# Altium PCB PCB5.PcbDoc (part 14 of 16) (continued)
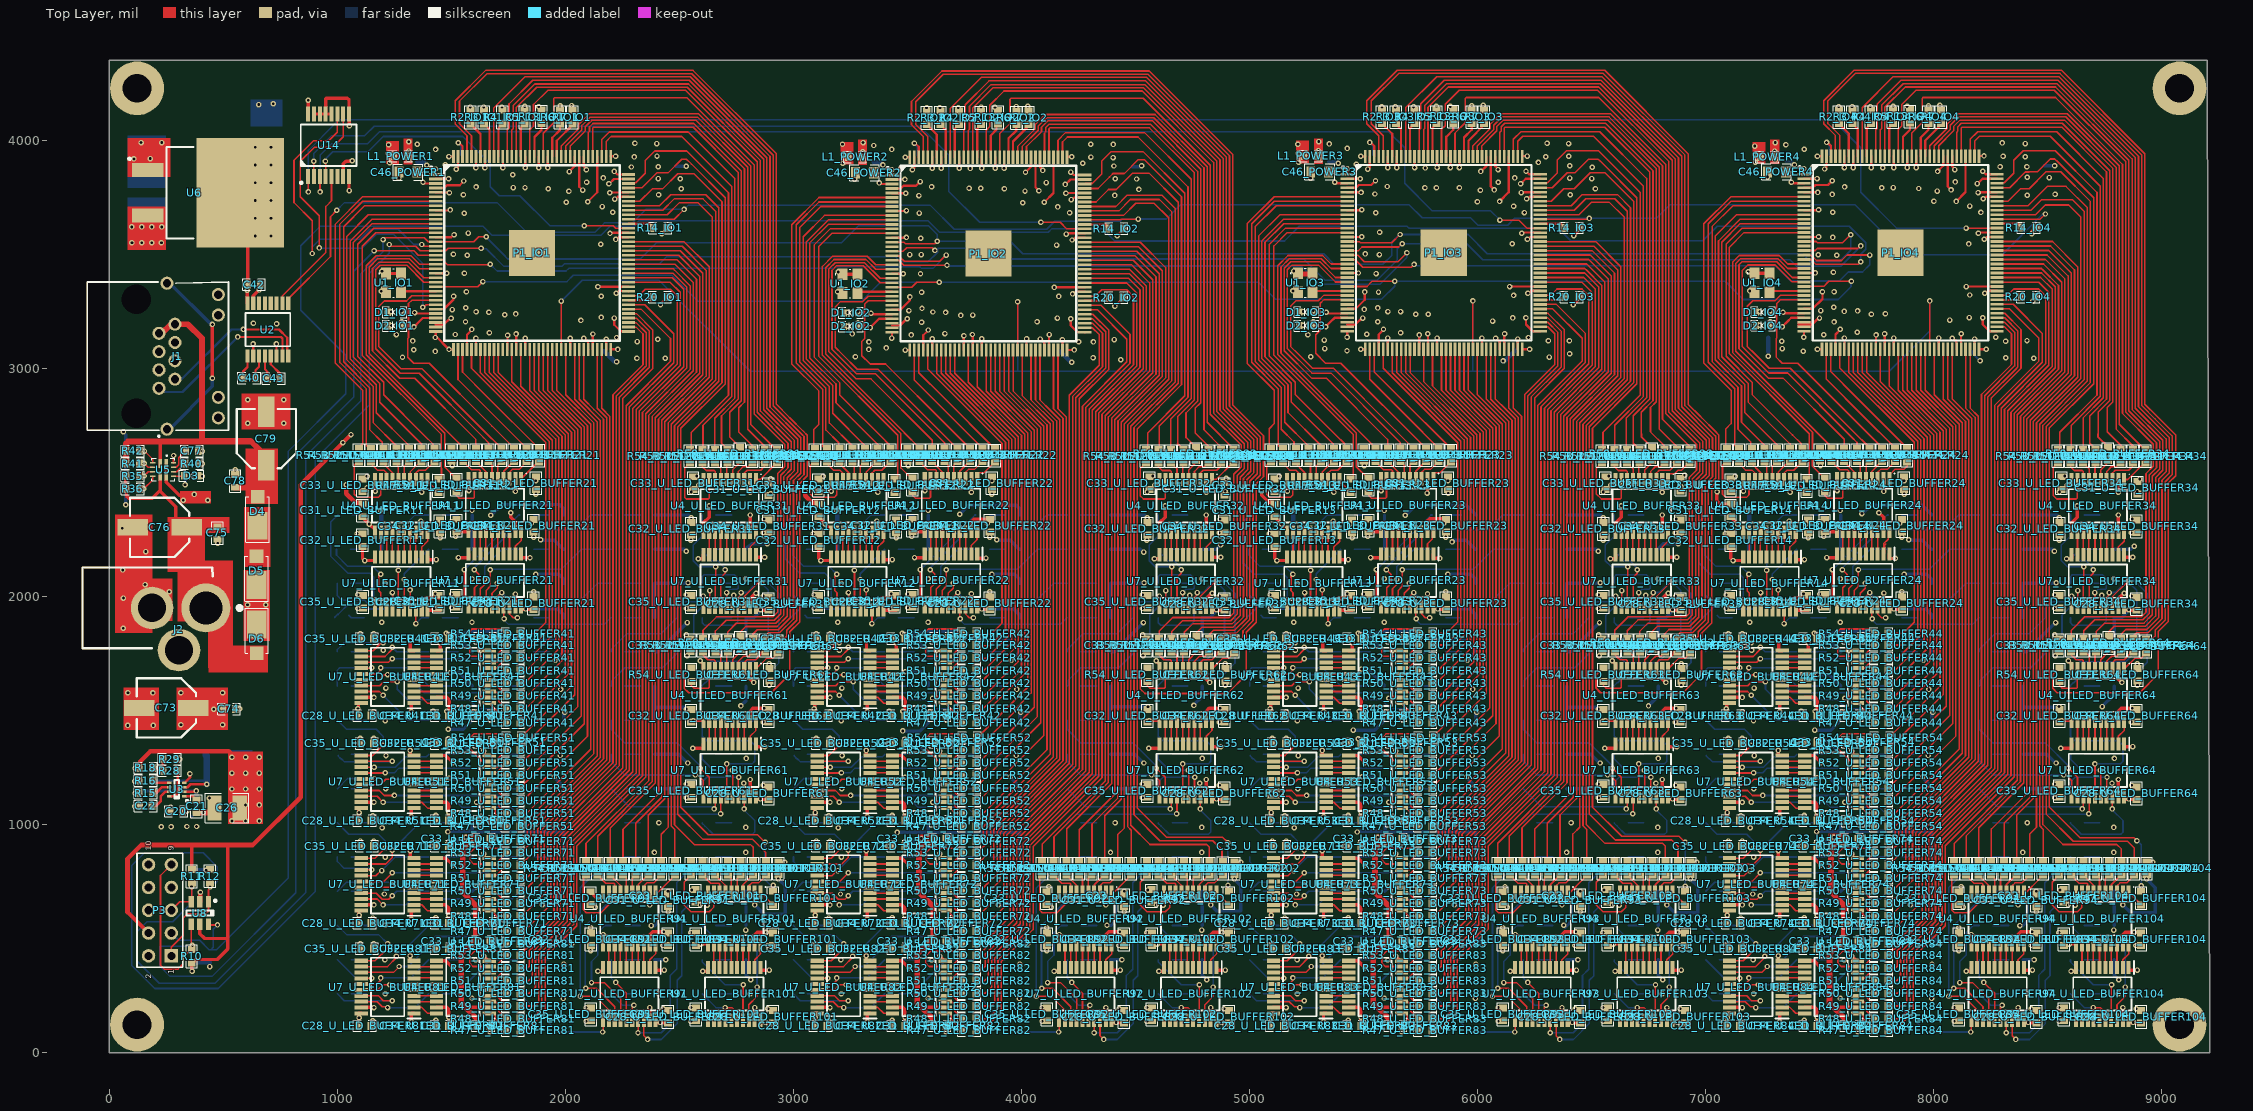
[diagram p0: Top Layer view]
## Nets (pads, with @x,y where several pads share a name; then routed paths per layer and width w, separated by ;. In a path a pad name is that pad's centre, name@x,y a point inside that pad or via, vN(x,y) a via of type N, cw(c..) or ccw(c..) an arc to the next point about the centre after c; other vN are vias at no path point) (continued)
  Top Layer w10: P1_IO2.97@4277.95,3631.46 4368.73,3631.46 4377.73,3622.46 R14_IO2.1@4386.73,3613.46
SCL_IO3: P1_IO3.97 R14_IO3.1 | length 116.2
  Top Layer w10: P1_IO3.97@6274.85,3634.91 6365.63,3634.91 6374.63,3625.91 R14_IO3.1@6383.63,3616.91
SCL_IO4: P1_IO4.97 R14_IO4.1 | length 116.2
  Top Layer w10: P1_IO4.97@8277.85,3635.06 8368.63,3635.06 R14_IO4.1@8386.63,3617.06
SDA: P1_IO1.80 R20_IO1.1 | length 109.8
  Top Layer w10: P1_IO1.80@2276.85,3299.42 2380.38,3299.42 R20_IO1.1@2384.83,3303.87
SDA_IO2: P1_IO2.80 R20_IO2.1 | length 202.8
  Top Layer w10: R20_IO2.1@4385.93,3301.27 4381.48,3296.82 R20_IO2.1@4370.93,3296.82 ; R20_IO2.1@4370.93,3296.82 P1_IO2.80@4277.95,3296.82 R20_IO2.1@4370.93,3296.82
SDA_IO3: P1_IO3.80 R20_IO3.1 | length 202.8
  Top Layer w10: R20_IO3.1@6382.83,3304.72 6378.38,3300.27 R20_IO3.1@6367.83,3300.27 ; R20_IO3.1@6367.83,3300.27 P1_IO3.80@6274.85,3300.27 R20_IO3.1@6367.83,3300.27
SDA_IO4: P1_IO4.80 R20_IO4.1 | length 202.8
  Top Layer w10: R20_IO4.1@8385.83,3304.87 8381.38,3300.42 R20_IO4.1@8370.83,3300.42 ; R20_IO4.1@8370.83,3300.42 P1_IO4.80@8277.85,3300.42 R20_IO4.1@8370.83,3300.42
SHIELD: J1.MH1 J1.MH2 | length 799.5
  Top Layer w15: v1(452.44,2957.17) v1(452.47,3192.66)
  Bottom Layer w15: J1.MH2@264.9,2733.38 452.44,2920.92 v1(452.44,2957.17) ; J1.MH1@264.9,3373.54 266.07,3373.54 446.94,3192.66 v1(452.47,3192.66)
TCK: C36.2 P1_IO1.18 P1_IO2.18 P1_IO3.18 P1_IO4.18 P3.1 R12.2 U8.1 | length 12865.8
  Top Layer w7: P3.1@272.17,423.87 272.17,461.34 324.57,513.74 324.57,589.37 344.57,609.37 424.57,609.37 434.97,619.77 U8.1@434.97,660.68 434.97,714.39 ; v1(1228.34,3543.3) 1235.67,3535.98 1344.31,3535.98 1364.33,3515.95 P1_IO1.18@1431.34,3515.95 1475.45,3515.95 1486.66,3527.17 v1(1630.63,3527.17) ; P1_IO2.18@3432.44,3513.35 3481.2,3513.35 3496.89,3529.05 3608.75,3529.05 v1(3620.63,3517.17) ; P1_IO3.18@5429.34,3516.8 5478.1,3516.8 5493.79,3532.5 5653.48,3532.5 5668.15,3547.17 v1(5670.63,3547.17) ; P1_IO4.18@7432.34,3516.95 7481.1,3516.95 7489.83,3525.69 7668.03,3525.69 7679.51,3537.17 v1(7680.63,3537.17)
  Bottom Layer w7: C36.2@440.37,744.61 468.58,744.61 472.68,748.71 472.68,814.98 412.22,875.44 154.71,875.44 97.95,818.67 97.95,382.35 199.42,280.87 478.3,280.87 903.17,705.75 903.17,2603.17 1140,2840 1140,3416.26 1228.34,3504.6 v1(1228.34,3543.3) ; v1(1630.63,3527.17) 1633.13,3524.67 1653.13,3524.67 1730.63,3447.17 1984.63,3447.17 1995.54,3458.08 2411.54,3458.08 2443.66,3490.2 3447.6,3490.2 3470.63,3467.17 3590.63,3467.17 3633.23,3509.77 3633.23,3527.17 3650.63,3527.17 3910.63,3527.17 3958.01,3479.79 5237.83,3479.79 5330.4,3387.22 5560.69,3387.22 5648.67,3475.2 5648.67,3525.2 v1(5670.63,3547.17) 5953.21,3547.17 6023.57,3476.81 7370.98,3476.81 7399.26,3448.53 7592.98,3448.53 7680.63,3536.18 v1(7680.63,3537.17)
  other v1: 441.85,725.88
TDI: C39.2 P1_IO1.19 P3.9 R10.2 U8.4 | length 5001.5
  Top Layer w7: P3.9@272.17,823.87 224.57,776.27 224.57,382.27 241.06,365.78 301.88,365.78 322.76,386.66 322.76,416.19 347.34,440.77 350.17,440.77 R10.2@361.67,452.27 ; U8.4@360.17,562.26 360.17,478.37 364.57,473.97 v1(364.57,469.37) ; v1@1163.27,3516.71 1335.62,3516.71 1355.57,3496.76 1430.85,3496.76 P1_IO1.19@1431.34,3496.27
  Bottom Layer w7: P3.9@256.94,823.87 P3.9@272.17,823.87 ; C39.2@361.67,452.27 358.95,452.27 344.7,466.52 224.88,466.52 220.78,462.42 220.78,379.24 266.4,333.62 450.2,333.62 817.46,700.87 817.46,2620.49 1072.04,2875.08 1072.04,3426.37 v1(1161.42,3515.75)
TDI_IO2: P1_IO1.20 P1_IO2.19 | length 2549.4
  Top Layer w7: P1_IO1.20@1431.34,3476.58 1461.49,3476.58 1483.04,3455.04 1668.51,3455.04 v1(1670.63,3457.17) ; P1_IO2.19@3432.44,3493.67 3433.34,3492.76 3463.61,3492.76 3486.61,3469.77 3641.63,3469.77 v1@3665.53,3493.67
  Bottom Layer w7: v1(1670.63,3457.17) 1700.63,3427.17 2003.37,3427.17 2014.69,3438.49 3180.33,3438.49 3187.61,3445.77 3554.55,3445.77 3561.83,3438.49 3611.95,3438.49 v1(3670.63,3497.17)
TDI_IO3: P1_IO2.20 P1_IO3.19 | length 2659.6
  Top Layer w7: P1_IO2.20@3432.44,3473.98 3462.59,3473.98 3484.14,3452.44 v1(3673.66,3452.44) ; P1_IO3.19@5429.34,3497.12 5430.24,3496.21 5475.72,3496.21 5503.71,3468.23 5651.69,3468.23 v1(5690.63,3507.17)
  Bottom Layer w7: v1(3673.66,3452.44) 3676.89,3449.22 5226.96,3449.22 5306.81,3369.36 5572.72,3369.36 5690.63,3487.27 v1(5690.63,3507.17)
TDI_IO4: P1_IO3.20 P1_IO4.19 | length 2719.7
  Top Layer w7: P1_IO3.20@5429.34,3477.43 5430.16,3476.61 5464.31,3476.61 5496.76,3444.16 5709.18,3444.16 5720.77,3455.75 v1(5721.78,3455.75) ; P1_IO4.19@7432.34,3497.27 7433.24,3496.36 7463.51,3496.36 7486.51,3473.37 7596.83,3473.37 7620.73,3497.27 7720.53,3497.27 v1(7720.63,3497.17)
  Bottom Layer w7: v1(5721.78,3455.75) 5726.38,3455.75 5732.76,3449.37 7308.43,3449.37 7374.37,3383.42 7586.28,3383.42 7625.81,3422.95 7688.5,3422.95 7720.63,3455.08 v1(7720.63,3497.17)
TDO: C37.2 P1_IO4.20 P3.3 U8.6 | length 11253.2
  Top Layer w7: U8.6@434.97,562.26 437.86,559.37 v1(474.57,559.37) ; P1_IO4.20@7432.34,3477.58 7462.49,3477.58 7484.04,3456.04 7669.5,3456.04 v1(7680.63,3467.17)
  Bottom Layer w7: P3.3@272.17,523.87 304.17,491.87 396.61,491.87 438.65,449.83 C37.2@444.08,449.83 ; v1(474.57,559.37) 455.58,540.39 455.58,461.33 C37.2@444.08,449.83 ; v1(7680.63,3467.17) 7680.63,3500.45 7703.13,3522.95 7703.13,3551.63 7630.9,3623.87 7051.77,3623.87 6987.88,3559.98 6408.75,3559.98 6353.51,3615.22 6139.14,3615.22 6137.95,3614.02 5700.19,3614.02 5690.5,3623.72 5218.54,3623.72 5153.73,3558.91 4409.47,3558.91 4356.61,3611.77 4132.33,3611.77 4117.33,3596.76 3640.84,3596.76 3590.03,3647.56 2323.38,3647.56 2299.76,3623.94 2196.09,3623.94 2155.97,3583.83 1678.49,3583.83 1638.08,3624.24 926.63,3624.24 839.69,3537.3 839.69,3254.67 1036.93,3057.43 1036.93,2888.84 784.14,2636.05 784.14,764.39 469.58,449.83 C37.2@444.08,449.83
TMS: C38.2 P1_IO1.16 P1_IO2.16 P1_IO3.16 P1_IO4.16 P3.5 R11.2 U8.3 | length 12178.3
  Top Layer w7: P3.5@272.17,623.87 308.98,660.68 U8.3@360.17,660.68 361.77,662.28 R11.2@361.77,727.48 ; v1(1200.56,3565.15) 1201.76,3565.15 1209.36,3572.74 1381.11,3572.74 1398.53,3555.32 P1_IO1.16@1431.34,3555.32 1598.79,3555.32 1620.63,3577.17 1652.72,3577.17 v1(1653.03,3577.47) ; P1_IO2.16@3432.44,3552.72 3485.54,3552.72 3491.23,3547.04 3620.5,3547.04 v1(3630.63,3557.17) ; P1_IO3.16@5429.34,3556.17 5482.44,3556.17 5488.13,3550.49 5623.95,3550.49 v1(5660.63,3587.17) ; P1_IO4.16@7432.34,3556.32 7485.44,3556.32 7491.13,3550.64 7600.63,3550.64 7635.94,3585.95 v1(7636.99,3585.95)
  Bottom Layer w7: C38.2@361.77,742.47 361.77,727.48 361.08,726.79 361.08,656.17 278.85,573.94 165.63,573.94 120.06,528.37 120.06,401.82 218.71,303.18 463.67,303.18 860.8,700.3 860.8,2614.24 1101.95,2855.39 1101.95,3412.45 1200.56,3511.06 v1(1200.56,3565.15) ; v1(1653.03,3577.47) 1653.03,3574.77 1727.64,3500.16 1747.95,3479.84 2328.94,3479.84 2400.82,3551.73 3212.24,3551.73 3286.8,3626.29 3591.51,3626.29 3630.63,3587.17 v1(3630.63,3557.17) 3950.63,3557.17 4005.43,3502.36 5325.43,3502.36 5370.93,3456.86 5585.04,3456.86 5623.54,3495.36 5623.54,3553.81 5656.89,3587.17 v1(5660.63,3587.17) 5959.1,3587.17 6043.35,3502.91 7424.88,3502.91 7460.63,3467.17 7586.6,3467.17 7636.99,3517.55 v1(7636.99,3585.95)
  other v1: 361.08,727.48
V+: C41.2 U2.2 | length 53.5
  Top Layer w10: v1(630.64,3107.47) 631.36,3106.74 U2.2@631.36,3054.3
V-: C44.2 U2.6 | length 53.2
  Top Layer w10: v1(732.94,3107.17) 733.73,3106.38 U2.6@733.73,3054.3
VCC_3V3: C1_IO1.2 C1_IO2.2 C1_IO3.2 C1_IO4.2 C30.2 C31_U_LED_BUFFER11.2 C31_U_LED_BUFFER12.2 C31_U_LED_BUFFER13.2 C31_U_LED_BUFFER14.2 C31_U_LED_BUFFER21.2 C31_U_LED_BUFFER22.2 C31_U_LED_BUFFER23.2 C31_U_LED_BUFFER24.2 C31_U_LED_BUFFER31.2 C31_U_LED_BUFFER32.2 C31_U_LED_BUFFER33.2 C31_U_LED_BUFFER34.2 C31_U_LED_BUFFER41.2 C31_U_LED_BUFFER42.2 C31_U_LED_BUFFER43.2 C31_U_LED_BUFFER44.2 C31_U_LED_BUFFER51.2 C31_U_LED_BUFFER52.2 C31_U_LED_BUFFER53.2 C31_U_LED_BUFFER54.2 C31_U_LED_BUFFER61.2 C31_U_LED_BUFFER62.2 C31_U_LED_BUFFER63.2 C31_U_LED_BUFFER64.2 C31_U_LED_BUFFER71.2 C31_U_LED_BUFFER72.2 C31_U_LED_BUFFER73.2 C31_U_LED_BUFFER74.2 C31_U_LED_BUFFER81.2 C31_U_LED_BUFFER82.2 C31_U_LED_BUFFER83.2 C31_U_LED_BUFFER84.2 C31_U_LED_BUFFER91.2 C31_U_LED_BUFFER92.2 C31_U_LED_BUFFER93.2 C31_U_LED_BUFFER94.2 C31_U_LED_BUFFER101.2 C31_U_LED_BUFFER102.2 C31_U_LED_BUFFER103.2 C31_U_LED_BUFFER104.2 C33_U_LED_BUFFER11.2 C33_U_LED_BUFFER12.2 C33_U_LED_BUFFER13.2 C33_U_LED_BUFFER14.2 C33_U_LED_BUFFER21.2 C33_U_LED_BUFFER22.2 C33_U_LED_BUFFER23.2 C33_U_LED_BUFFER24.2 C33_U_LED_BUFFER31.2 C33_U_LED_BUFFER32.2 C33_U_LED_BUFFER33.2 C33_U_LED_BUFFER34.2 C33_U_LED_BUFFER41.2 C33_U_LED_BUFFER42.2 C33_U_LED_BUFFER43.2 C33_U_LED_BUFFER44.2 C33_U_LED_BUFFER51.2 C33_U_LED_BUFFER52.2 C33_U_LED_BUFFER53.2 C33_U_LED_BUFFER54.2 C33_U_LED_BUFFER61.2 C33_U_LED_BUFFER62.2 C33_U_LED_BUFFER63.2 C33_U_LED_BUFFER64.2 C33_U_LED_BUFFER71.2 C33_U_LED_BUFFER72.2 C33_U_LED_BUFFER73.2 C33_U_LED_BUFFER74.2 C33_U_LED_BUFFER81.2 C33_U_LED_BUFFER82.2 C33_U_LED_BUFFER83.2 C33_U_LED_BUFFER84.2 C33_U_LED_BUFFER91.2 C33_U_LED_BUFFER92.2 C33_U_LED_BUFFER93.2 C33_U_LED_BUFFER94.2 C33_U_LED_BUFFER101.2 C33_U_LED_BUFFER102.2 C33_U_LED_BUFFER103.2 C33_U_LED_BUFFER104.2 C42.2 L1_POWER1.1 L1_POWER2.1 L1_POWER3.1 L1_POWER4.1 L3_POWER1.1 L3_POWER2.1 L3_POWER3.1 L3_POWER4.1 P3.4 R10.1 R11.1 U1_IO1.1 U1_IO1.4 U1_IO2.1 U1_IO2.4 U1_IO3.1 U1_IO3.4 U1_IO4.1 U1_IO4.4 U2.16 U4_U_LED_BUFFER11.2 U4_U_LED_BUFFER11.10 U4_U_LED_BUFFER12.2 U4_U_LED_BUFFER12.10 U4_U_LED_BUFFER13.2 U4_U_LED_BUFFER13.10 U4_U_LED_BUFFER14.2 U4_U_LED_BUFFER14.10 U4_U_LED_BUFFER21.2 U4_U_LED_BUFFER21.10 U4_U_LED_BUFFER22.2 U4_U_LED_BUFFER22.10 U4_U_LED_BUFFER23.2 U4_U_LED_BUFFER23.10 U4_U_LED_BUFFER24.2 U4_U_LED_BUFFER24.10 U4_U_LED_BUFFER31.2 U4_U_LED_BUFFER31.10 U4_U_LED_BUFFER32.2 U4_U_LED_BUFFER32.10 U4_U_LED_BUFFER33.2 U4_U_LED_BUFFER33.10 U4_U_LED_BUFFER34.2 U4_U_LED_BUFFER34.10 U4_U_LED_BUFFER41.2 U4_U_LED_BUFFER41.10 U4_U_LED_BUFFER42.2 U4_U_LED_BUFFER42.10 U4_U_LED_BUFFER43.2 U4_U_LED_BUFFER43.10 U4_U_LED_BUFFER44.2 U4_U_LED_BUFFER44.10 U4_U_LED_BUFFER51.2 U4_U_LED_BUFFER51.10 U4_U_LED_BUFFER52.2 U4_U_LED_BUFFER52.10 U4_U_LED_BUFFER53.2 U4_U_LED_BUFFER53.10 U4_U_LED_BUFFER54.2 U4_U_LED_BUFFER54.10 U4_U_LED_BUFFER61.2 U4_U_LED_BUFFER61.10 U4_U_LED_BUFFER62.2 U4_U_LED_BUFFER62.10 U4_U_LED_BUFFER63.2 U4_U_LED_BUFFER63.10 U4_U_LED_BUFFER64.2 U4_U_LED_BUFFER64.10 U4_U_LED_BUFFER71.2 U4_U_LED_BUFFER71.10 U4_U_LED_BUFFER72.2 U4_U_LED_BUFFER72.10 U4_U_LED_BUFFER73.2 U4_U_LED_BUFFER73.10 U4_U_LED_BUFFER74.2 U4_U_LED_BUFFER74.10 U4_U_LED_BUFFER81.2 U4_U_LED_BUFFER81.10 U4_U_LED_BUFFER82.2 U4_U_LED_BUFFER82.10 U4_U_LED_BUFFER83.2 U4_U_LED_BUFFER83.10 U4_U_LED_BUFFER84.2 U4_U_LED_BUFFER84.10 U4_U_LED_BUFFER91.2 U4_U_LED_BUFFER91.10 U4_U_LED_BUFFER92.2 U4_U_LED_BUFFER92.10 U4_U_LED_BUFFER93.2 U4_U_LED_BUFFER93.10 U4_U_LED_BUFFER94.2 U4_U_LED_BUFFER94.10 U4_U_LED_BUFFER101.2 U4_U_LED_BUFFER101.10 U4_U_LED_BUFFER102.2 U4_U_LED_BUFFER102.10 U4_U_LED_BUFFER103.2 U4_U_LED_BUFFER103.10 U4_U_LED_BUFFER104.2 U4_U_LED_BUFFER104.10 U6.4 U8.5 U14.16 | length 15036
  Top Layer w7: 1606.69,646.37 1607.91,647.6 ; 3606.69,646.37 3607.91,647.6 ; 5606.69,646.37 5607.91,647.6 ; 7607.42,647.1 7607.91,647.6
  Top Layer w15: R11.1@361.77,802.47 362.02,802.72 362.02,910.52 ; v1(362.98,356.12) 362.32,356.78 362.32,391.61 R10.1@361.67,392.27 364.17,392.27 379.84,407.94 473.94,407.94 520,454 520,909.38 520.62,910 ; U8.5@397.57,562.26 397.15,561.84 397.15,521.44 418.59,500 511.21,500 ; U6.4@574.13,3770.31 607.18,3737.27 C42.2@607.18,3367.07 605.77,3365.66 U2.16@605.77,3285.63 ; U14.16@872.27,4115.81 872.27,4176.72 v1@872.34,4176.78 ; U4_U_LED_BUFFER11.10@1165.47,2512.83 1165.47,2461.78 v1(1166.51,2460.74) ; U1_IO1.1@1214.35,3416.2 U1_IO1.4@1279.31,3416.2 ; U4_U_LED_BUFFER11.2@1370.2,2512.83 1370.2,2463.99 v1@1372.89,2461.3 ; 1562.24,197.6 U4_U_LED_BUFFER81.2@1666.3,197.6 ; U4_U_LED_BUFFER21.10@1576.07,2516.17 1576.07,2465.12 v1(1577.11,2464.08) ; 1607.91,647.6 U4_U_LED_BUFFER71.2@1666.3,647.6 ; v1@1614.76,1094.9 1617.46,1097.6 U4_U_LED_BUFFER51.2@1666.3,1097.6 ; v1@1614.76,1554.9 1617.46,1557.6 U4_U_LED_BUFFER41.2@1666.3,1557.6 ; v1@1624.36,1761.28 1625.4,1762.32 1625.6,1762.12 1666.1,1762.12 U4_U_LED_BUFFER41.10@1666.3,1762.32 ; v1@1640.63,876.71 1640.63,871.3 1644.77,867.17 1644.77,853.68 1646.12,852.32 U4_U_LED_BUFFER71.10@1666.3,852.32 ; v1@1640.63,1326.71 1640.63,1321.3 1644.77,1317.17 1644.77,1303.68 1646.12,1302.32 U4_U_LED_BUFFER51.10@1666.3,1302.32 ; v1(1641.82,422.56) 1662.05,402.32 U4_U_LED_BUFFER81.10@1666.3,402.32 ; U4_U_LED_BUFFER21.2@1780.79,2516.17 1780.79,2467.33 v1@1783.49,2464.64 ; C33_U_LED_BUFFER91.2@2110.63,704.72 2138.19,677.16 2146.49,677.16 2150.63,681.3 2164.12,681.3 2165.47,682.66 U4_U_LED_BUFFER91.10@2165.47,702.83 ; U4_U_LED_BUFFER91.2@2370.2,702.83 2370.2,653.99 v1@2372.89,651.3 ; v1@2581.08,2487.16 2586.49,2487.16 2590.63,2491.3 2604.12,2491.3 2605.47,2492.66 U4_U_LED_BUFFER31.10@2605.47,2512.83 ; v1(2591.57,1718.26) 2591.57,1716.91 2605.47,1703.01 U4_U_LED_BUFFER61.10@2605.47,1682.83 ; v1(2621.81,646.17) 2625.47,649.83 U4_U_LED_BUFFER101.10@2625.47,702.83 ; U4_U_LED_BUFFER61.2@2810.2,1682.83 2810.2,1636.12 2823.49,1622.83 v1(2826.22,1622.83) ; U4_U_LED_BUFFER31.2@2810.2,2512.83 2810.2,2463.99 v1@2812.89,2461.3 ; U4_U_LED_BUFFER101.2@2830.2,702.83 2830.2,653.99 v1@2832.89,651.3 ; U4_U_LED_BUFFER12.10@3165.47,2512.83 3165.47,2461.78 v1(3166.51,2460.74) ; U1_IO2.1@3207.38,3412.97 U1_IO2.4@3272.34,3412.97 ; U1_IO2.1@3215.45,3413.6 U1_IO2.4@3280.41,3413.6 ; U4_U_LED_BUFFER12.2@3370.2,2512.83 3370.2,2463.99 v1@3372.89,2461.3 ; 3562.24,197.6 U4_U_LED_BUFFER82.2@3666.3,197.6 ; U4_U_LED_BUFFER22.10@3576.07,2516.17 3576.07,2465.12 v1(3577.11,2464.08) ; 3607.91,647.6 U4_U_LED_BUFFER72.2@3666.3,647.6 ; v1@3614.76,1094.9 3617.46,1097.6 U4_U_LED_BUFFER52.2@3666.3,1097.6 ; v1@3614.76,1554.9 3617.46,1557.6 U4_U_LED_BUFFER42.2@3666.3,1557.6 ; v1@3624.36,1761.28 3625.4,1762.32 3625.6,1762.12 3666.1,1762.12 U4_U_LED_BUFFER42.10@3666.3,1762.32 ; v1@3640.63,876.71 3640.63,871.3 3644.77,867.17 3644.77,853.68 3646.12,852.32 U4_U_LED_BUFFER72.10@3666.3,852.32 ; v1@3640.63,1326.71 3640.63,1321.3 3644.77,1317.17 3644.77,1303.68 3646.12,1302.32 U4_U_LED_BUFFER52.10@3666.3,1302.32 ; v1(3641.82,422.56) 3662.05,402.32 U4_U_LED_BUFFER82.10@3666.3,402.32 ; v1@3780.78,2457.23 U4_U_LED_BUFFER22.2@3780.78,2516.15 ; v1@4141.08,677.16 4146.49,677.16 4150.63,681.3 4164.12,681.3 4165.47,682.66 U4_U_LED_BUFFER92.10@4165.47,702.83 ; U4_U_LED_BUFFER92.2@4370.2,702.83 4370.2,653.99 v1@4372.89,651.3 ; v1@4581.08,2487.16 4586.49,2487.16 4590.63,2491.3 4604.12,2491.3 4605.47,2492.66 U4_U_LED_BUFFER32.10@4605.47,2512.83 ; v1(4591.57,1718.26) 4591.57,1716.91 4605.47,1703.01 U4_U_LED_BUFFER62.10@4605.47,1682.83 ; v1(4621.81,646.17) 4625.47,649.83 U4_U_LED_BUFFER102.10@4625.47,702.83 ; U4_U_LED_BUFFER62.2@4810.2,1682.83 4810.2,1636.12 4823.49,1622.83 v1(4826.22,1622.83) ; U4_U_LED_BUFFER32.2@4810.2,2512.83 4810.2,2463.99 v1@4812.89,2461.3 ; U4_U_LED_BUFFER102.2@4830.2,702.83 4830.2,653.99 v1@4832.89,651.3 ; v1(5052.7,2460.86) 5054.42,2459.14 5054.42,2442.79 5084.99,2412.22 5103.13,2412.22 C31_U_LED_BUFFER13.2@5110.63,2404.72 ; U4_U_LED_BUFFER13.10@5165.47,2512.83 5165.47,2461.78 v1(5166.51,2460.74) ; U1_IO3.1@5208.48,3410.37 U1_IO3.4@5273.44,3410.37 ; U1_IO3.1@5212.35,3417.05 U1_IO3.4@5277.31,3417.05 ; U4_U_LED_BUFFER13.2@5370.2,2512.83 5370.2,2463.99 v1@5372.89,2461.3 ; 5562.24,197.6 U4_U_LED_BUFFER83.2@5666.3,197.6 ; U4_U_LED_BUFFER23.10@5576.07,2516.17 5576.07,2465.12 v1(5577.11,2464.08) ; 5607.91,647.6 U4_U_LED_BUFFER73.2@5666.3,647.6 ; v1@5614.76,1094.9 5617.46,1097.6 U4_U_LED_BUFFER53.2@5666.3,1097.6 ; v1@5614.76,1554.9 5617.46,1557.6 U4_U_LED_BUFFER43.2@5666.3,1557.6 ; v1@5624.36,1761.28 5625.4,1762.32 5625.6,1762.12 5666.1,1762.12 U4_U_LED_BUFFER43.10@5666.3,1762.32 ; v1@5640.63,876.71 5640.63,871.3 5644.77,867.17 5644.77,853.68 5646.12,852.32 U4_U_LED_BUFFER73.10@5666.3,852.32 ; v1@5640.63,1326.71 5640.63,1321.3 5644.77,1317.17 5644.77,1303.68 5646.12,1302.32 U4_U_LED_BUFFER53.10@5666.3,1302.32 ; v1(5641.82,422.56) 5662.05,402.32 U4_U_LED_BUFFER83.10@5666.3,402.32 ; v1@5780,2460 5780.79,2460.79 U4_U_LED_BUFFER23.2@5780.79,2516.17 ; v1@6141.08,677.16 6146.49,677.16 6150.63,681.3 6164.12,681.3 6165.47,682.66 U4_U_LED_BUFFER93.10@6165.47,702.83 ; U4_U_LED_BUFFER93.2@6370.2,702.83 6370.2,653.99 v1@6372.89,651.3 ; v1@6581.08,2487.16 6586.49,2487.16 6590.63,2491.3 6604.12,2491.3 6605.47,2492.66 U4_U_LED_BUFFER33.10@6605.47,2512.83 ; v1(6591.57,1718.26) 6591.57,1716.91 6605.47,1703.01 U4_U_LED_BUFFER63.10@6605.47,1682.83 ; v1(6621.81,646.17) 6625.47,649.83 U4_U_LED_BUFFER103.10@6625.47,702.83 ; U4_U_LED_BUFFER63.2@6810.2,1682.83 6810.2,1636.12 6823.49,1622.83 v1(6826.22,1622.83) ; U4_U_LED_BUFFER33.2@6810.2,2512.83 6810.2,2463.99 v1@6812.89,2461.3 ; U4_U_LED_BUFFER103.2@6830.2,702.83 6830.2,653.99 v1@6832.89,651.3 ; v1(7050.73,2458.89) 7050,2458.16 7050,2420 7065.28,2404.72 C31_U_LED_BUFFER14.2@7110.63,2404.72 ; U4_U_LED_BUFFER14.10@7165.47,2512.83 7165.47,2461.78 v1(7166.51,2460.74) ; U1_IO4.1@7215.35,3417.2 U1_IO4.4@7280.31,3417.2 ; U4_U_LED_BUFFER14.2@7370.2,2512.83 7370.2,2463.99 v1@7372.89,2461.3 ; 7562.24,197.6 U4_U_LED_BUFFER84.2@7666.3,197.6 ; U4_U_LED_BUFFER24.10@7576.07,2516.17 7576.07,2465.12 v1(7577.11,2464.08) ; 7607.91,647.6 U4_U_LED_BUFFER74.2@7666.3,647.6 ; v1@7614.76,1094.9 7617.46,1097.6 U4_U_LED_BUFFER54.2@7666.3,1097.6 ; v1@7614.76,1554.9 7617.46,1557.6 U4_U_LED_BUFFER44.2@7666.3,1557.6 ; v1@7624.36,1761.28 7625.4,1762.32 7625.6,1762.12 7666.1,1762.12 U4_U_LED_BUFFER44.10@7666.3,1762.32 ; v1@7640.63,876.71 7640.63,871.3 7644.77,867.17 7644.77,853.68 7646.12,852.32 U4_U_LED_BUFFER74.10@7666.3,852.32 ; v1@7640.63,1326.71 7640.63,1321.3 7644.77,1317.17 7644.77,1303.68 7646.12,1302.32 U4_U_LED_BUFFER54.10@7666.3,1302.32 ; v1(7641.82,422.56) 7662.05,402.32 U4_U_LED_BUFFER84.10@7666.3,402.32 ; U4_U_LED_BUFFER24.2@7780.79,2516.17 7780.79,2460.94 v1(7781.23,2460.5) ; v1@8141.08,677.16 8146.49,677.16 8150.63,681.3 8164.12,681.3 8165.47,682.66 U4_U_LED_BUFFER94.10@8165.47,702.83 ; U4_U_LED_BUFFER94.2@8370.2,702.83 8370.2,653.99 v1@8372.89,651.3 ; v1@8581.08,2487.16 8586.49,2487.16 8590.63,2491.3 8604.12,2491.3 8605.47,2492.66 U4_U_LED_BUFFER34.10@8605.47,2512.83 ; v1(8591.57,1718.26) 8591.57,1716.91 8605.47,1703.01 U4_U_LED_BUFFER64.10@8605.47,1682.83 ; v1(8621.81,646.17) 8625.47,649.83 U4_U_LED_BUFFER104.10@8625.47,702.83 ; U4_U_LED_BUFFER64.2@8810.2,1682.83 8810.2,1636.12 8823.49,1622.83 v1(8826.22,1622.83) ; U4_U_LED_BUFFER34.2@8810.2,2512.83 8810.2,2463.99 v1@8812.89,2461.3 ; U4_U_LED_BUFFER104.2@8830.2,702.83 8830.2,653.99 v1@8832.89,651.3 ; C31_U_LED_BUFFER34.2@8893.04,2448.69 C31_U_LED_BUFFER34.2@8893.67,2449.32
  Top Layer w20: P3.4@172.17,523.87 80,616.04 80,850 140,910 520.62,910 630,910 840,1120 840,2490 v1(1060,2710) ; v1@1040,2490 1040,2450 1080.28,2409.72 1105.63,2409.72 C31_U_LED_BUFFER11.2@1110.63,2404.72 ; v1(3051.54,2462.45) 3052.31,2461.68 3052.31,2441.37 3083.96,2409.72 3105.63,2409.72 C31_U_LED_BUFFER12.2@3110.63,2404.72
  Top Layer w25: v1(1562.96,943.43) 1572.17,943.43 1585.64,929.95 1550.66,894.97 1550.66,702.4 1606.69,646.37 C33_U_LED_BUFFER81.2@1606.69,482.18 ; C31_U_LED_BUFFER81.2@1613.07,117.16 1613.07,146.77 1562.24,197.6 1543.31,216.54 1543.31,431.93 1599.56,488.19 C33_U_LED_BUFFER81.2@1614.17,488.19 ; v1(3560.26,938.01) 3566.75,938.01 3572.17,943.43 3585.64,929.95 3550.66,894.97 3550.66,702.4 3606.69,646.37 3614.17,638.89 C33_U_LED_BUFFER82.2@3614.17,488.19 3599.56,488.19 3543.31,431.93 3543.31,216.54 3562.24,197.6 3613.07,146.77 C31_U_LED_BUFFER82.2@3613.07,117.16 ; v1(5562.96,943.43) 5572.17,943.43 5585.64,929.95 5550.66,894.97 5550.66,702.4 5606.69,646.37 5614.17,638.89 C33_U_LED_BUFFER83.2@5614.17,488.19 5599.56,488.19 5543.31,431.93 5543.31,216.54 5562.24,197.6 5613.07,146.77 C31_U_LED_BUFFER83.2@5613.07,117.16 ; v1(7562.96,943.43) 7572.17,943.43 7585.64,929.95 7550.66,894.97 7550.66,703.86 7607.42,647.1 7607.42,496.05 C33_U_LED_BUFFER84.2@7599.56,488.19 ; C31_U_LED_BUFFER84.2@7613.07,117.16 7613.07,146.77 7562.24,197.6 7543.31,216.54 7543.31,431.93 C33_U_LED_BUFFER84.2@7599.56,488.19 ; C33_U_LED_BUFFER84.2@7614.17,488.19 C33_U_LED_BUFFER84.2@7599.56,488.19
  Bottom Layer w15: v1(1626.96,489.14) 1626.96,437.41 v1(1641.82,422.56) ; L3_POWER1.1@2484.2,3887.77 2484.73,3887.24 2529.89,3887.24 v1(2530.42,3886.71) ; v1(2830.63,647.16) 2870.3,607.5 2964.2,607.5 2964.2,730.72 v1(2934.06,760.86) ; v1(3626.96,489.14) 3626.96,437.41 v1(3641.82,422.56) ; L3_POWER2.1@4485.3,3885.17 4521.25,3885.17 4524.31,3888.23 v1(4526.75,3888.23) ; v1(4830.63,647.16) 4857.2,620.6 4962.7,620.6 4962.7,732.22 v1(4934.06,760.86) ; v1(5626.96,489.14) 5626.96,437.41 v1(5641.82,422.56) ; v1(6830.63,647.16) 6864.8,613 6966,613 6966,728.92 v1(6934.06,760.86) ; v1(7626.96,489.14) 7626.96,437.41 v1(7641.82,422.56) ; L3_POWER4.1@8485.2,3888.77 8485.52,3888.44 8530.21,3888.44 v1(8530.54,3888.12) ; v1(8830.63,647.16) 8865.8,612 8972,612 8972,722.92 v1(8934.06,760.86)
  other v1: 2451.1,617.16 4451.1,617.16 6451.1,617.16 8451.1,617.16 2370.63,647.16 2591.1,647.16 4370.63,647.16 4591.1,647.16 6370.63,647.16 6591.1,647.16 8370.63,647.16 8591.1,647.16 2145.24,678.35 4145.24,678.35 6145.24,678.35 8145.24,678.35 4120.63,727.16 6120.63,727.16 8120.63,727.16 1641.82,872.56 3641.82,872.56 5641.82,872.56 7641.82,872.56 1589.8,917.32 3589.8,917.32 5589.8,917.32 7589.8,917.32 1629.97,1036.82 3629.97,1036.82 5629.97,1036.82 7629.97,1036.82 1610.63,1097.16 3610.63,1097.16 5610.63,1097.16 7610.63,1097.16 1641.82,1322.56 3641.82,1322.56 5641.82,1322.56 7641.82,1322.56 1619.8,1373.38 3619.8,1373.38 5619.8,1373.38 7619.8,1373.38 1597.69,1494.39 3597.69,1494.39 5597.69,1494.39 7597.69,1494.39 1610.39,1553.1 3610.39,1553.1 5610.39,1553.1 7610.39,1553.1 2894.06,1610.86 4894.06,1610.86 6894.06,1610.86 8894.06,1610.86 2533.66,1740.2 4533.66,1740.2 6533.66,1740.2 8533.66,1740.2 1625.4,1761.91 3625.4,1761.91 5625.4,1761.91 7625.4,1761.91 1603.67,1814.13 3603.67,1814.13 5603.67,1814.13 7603.67,1814.13 1870.95,2448.83 3870.95,2448.83 7870.95,2448.83 2900,2450 5778.85,2453.35 5871.52,2452.76 1370.63,2457.16 2810.63,2457.16 3370.63,2457.16 3780.76,2457.21 4810.63,2457.16 5370.63,2457.16 6810.63,2457.16 7370.63,2457.16 8810.63,2457.16 2552.08,2458.35 4552.08,2458.35 6552.08,2458.35 8552.08,2458.35 1781.23,2460.5 8893.67,2459.92 4893.45,2460.94 6892.75,2480.16 2585.24,2488.35 4585.24,2488.35 6585.24,2488.35 8585.24,2488.35 1040.21,2490.2 1130.63,2527.16 3130.63,2527.16 5130.63,2527.16 7130.63,2527.16 1504.26,2573.54 3504.26,2573.54 5504.26,2573.54 7504.26,2573.54 1024.46,2674.67 605.55,3342.54 3196.93,3423.27 7186.86,3423.48 1195.83,3425.87 5193.83,3426.72 639.61,3580.31 709.61,3580.31 639.61,3658.31 709.61,3658.31 639.61,3736.31 709.61,3736.31 639.61,3814.31 709.61,3814.31 6503.38,3882.38 639.61,3892.31 709.61,3892.31 3216.76,3899.36 1229.31,3901.63 5215.36,3903.62 7218.01,3904.34 3216.56,3939.74 7216.56,3939.74 1223.53,3942.98 5214.94,3944.19 639.61,3970.31 709.61,3970.31 7215.42,3974.94 1224.64,3980.92 3215.46,3983.1 5212.87,3983.43 872.34,4176.28